# KiCad board dilemma.kicad_pcb (continued)
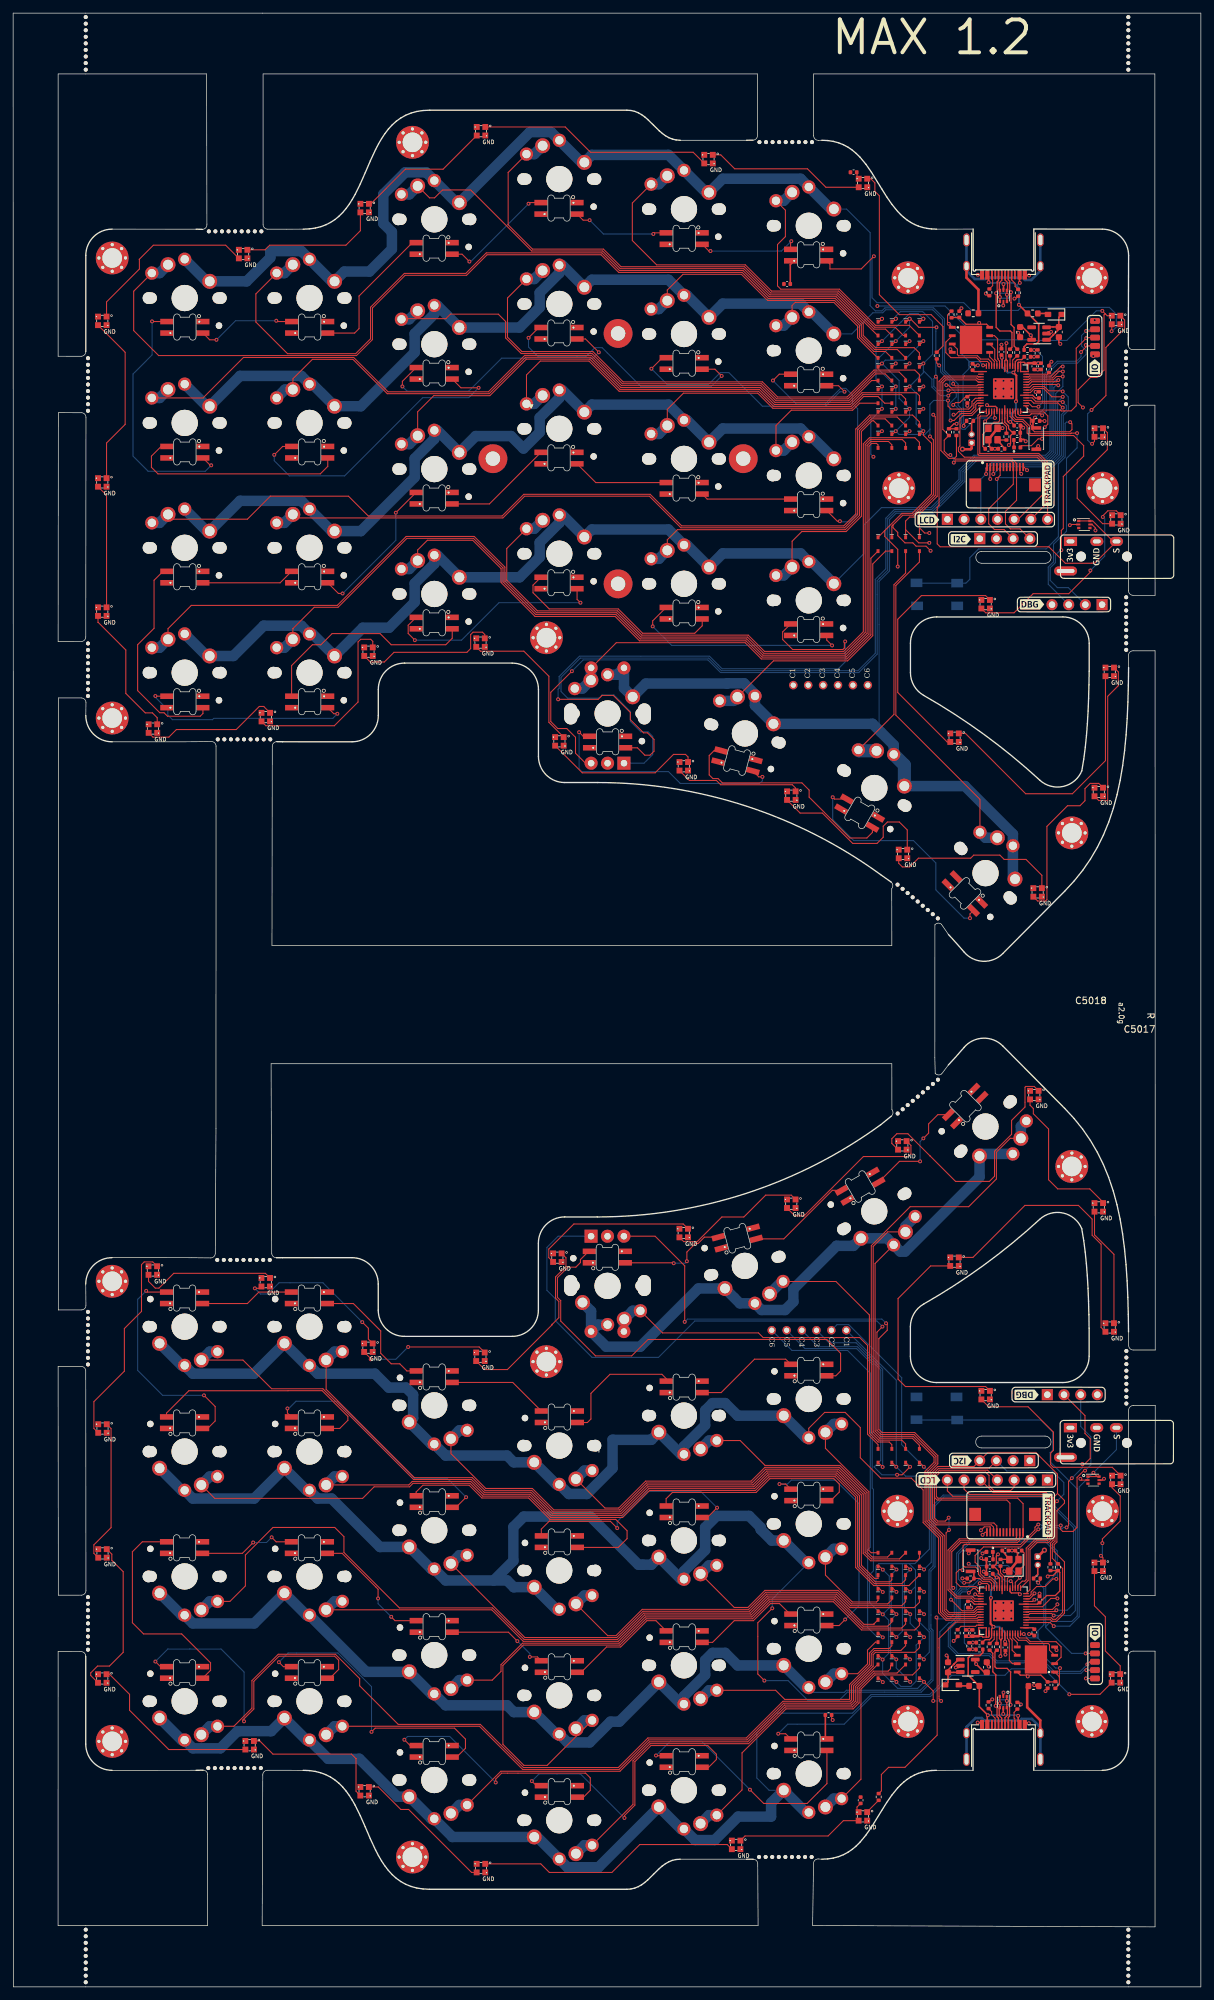
[diagram p0: board, top side]
## Placement (name value [footprint] x y rotation side) (continued)
SW5001  SW_Push  [SW_SPST_CK_KXT3]  145.74 64.83 270 top
SW5002  NA_SW_Push  [SW_MX_choc]  45.1 62.45 0 bottom
SW5003  NA_SW_Push  [SW_MX_choc]  45.1 81.45 0 bottom
SW5004  NA_SW_Push  [SW_MX_choc]  45.1 100.45 0 bottom
SW5005  NA_SW_Push  [SW_MX_choc]  111.38 109.7 15 bottom
SW5006  NA_SW_Push  [SW_MX_choc]  64.1 50.47 0 bottom
SW5007  NA_SW_Push  [SW_MX_choc]  64.1 69.47 0 bottom
SW5008  NA_SW_Push  [SW_MX_choc]  64.1 88.47 0 bottom
SW5009  NA_SW_Push  [SW_MX_choc]  131.08 118 30 bottom
SW5010  NA_SW_Push  [SW_MX_choc]  83.13 44.35 0 bottom
SW5011  NA_SW_Push  [SW_MX_choc]  83.13 63.35 0 bottom
SW5012  NA_SW_Push  [SW_MX_choc]  83.13 82.35 0 bottom
SW5013  NA_SW_Push  [SW_MX_choc]  90.48 106.66 0 bottom
SW5014  NA_SW_Push  [SW_MX_choc]  102.1 48.92 0 bottom
SW5015  NA_SW_Push  [SW_MX_choc]  102.1 67.92 0 bottom
SW5016  NA_SW_Push  [SW_MX_choc]  102.1 86.92 0 bottom
SW5017  NA_SW_Push  [SW_MX_choc]  121.1 51.45 0 bottom
SW5018  NA_SW_Push  [SW_MX_choc]  121.1 70.45 0 bottom
SW5019  NA_SW_Push  [SW_MX_choc]  121.1 89.45 0 bottom
SW5020  NA_RotaryEncoder_Switch  [RotaryEncoder_Alps_EC11E-Switch_Vertical_H20mm_roundholes]  87.97 114.21 270 bottom
SW5021  SW_SPST  [PushSwitch]  140.6 88.05 0 bottom
SW5022  SW_SPST  [PushSwitch]  140.6 211.82 180 bottom
SW5023  NA_SW_Push  [SW_MX_choc]  45.11 256.95 180 bottom
SW5024  NA_SW_Push  [SW_MX_choc]  64.11 268.93 180 bottom
SW5025  NA_SW_Push  [SW_MX_choc]  83.14 275.05 180 bottom
SW5026  NA_SW_Push  [SW_MX_choc]  102.11 270.48 180 bottom
SW5027  NA_SW_Push  [SW_MX_choc]  121.11 267.95 180 bottom
SW5028  NA_SW_Push  [SW_MX_choc]  26.11 256.95 180 bottom
SW5029  NA_SW_Push  [SW_MX_choc]  26.11 237.95 180 bottom
SW5030  NA_SW_Push  [SW_MX_choc]  26.11 218.95 180 bottom
SW5031  NA_SW_Push  [SW_MX_choc]  26.11 199.95 180 bottom
SW5032  NA_SW_Push  [SW_MX_choc]  26.1 62.45 0 bottom
SW5033  NA_SW_Push  [SW_MX_choc]  26.1 81.45 0 bottom
SW5034  NA_SW_Push  [SW_MX_choc]  26.1 100.45 0 bottom
SW5035  NA_SW_Push  [SW_MX_choc]  45.1 43.45 0 bottom
SW5036  NA_SW_Push  [SW_MX_choc]  64.1 31.47 0 bottom
SW5037  NA_SW_Push  [SW_MX_choc]  83.13 25.35 0 bottom
SW5038  NA_SW_Push  [SW_MX_choc]  102.1 29.92 0 bottom
SW5039  NA_SW_Push  [SW_MX_choc]  121.1 32.45 0 bottom
SW5040  NA_SW_Push  [SW_MX_choc]  26.1 43.45 0 bottom
SW5041  NA_SW_Push  [SW_MX_choc]  148.01 169.45 135 bottom
SW5042  NA_SW_Push  [SW_MX_choc]  148 130.9 45 bottom
U1  RP2040  [QFN-56-1EP_7x7mm_P0.4mm_EP3.2x3.2mm]  150.74 243.16 0 top
U2  W25Q128JVS  [W25Q128JVPIQ]  145.8 250.59 0 top
U3  XC6210B332MR-G  [SOT-23-5]  156.17 251.55 180 top
U4  USBLC6-2P6  [SOT-666]  150.74 257.27 90 top
U5001  XC6210B332MR-G  [SOT-23-5]  145.31 48.85 0 top
U5002  RP2040  [QFN-56-1EP_7x7mm_P0.4mm_EP3.2x3.2mm]  150.74 57.23 180 top
U5003  USBLC6-2P6  [SOT-666]  150.72 43.33 270 top
U5004  W25Q128JVS  [W25Q128JVPIQ]  155.69 49.81 180 top
U5005  USBLC6-2P6  [SOT-666]  163.05 222.5 0 top
U5006  USBLC6-2P6  [SOT-666]  164.45 77.1 0 top
Y1  Crystal_GND24  [Crystal_SMD_2520-4Pin_2.5x2.0mm]  149.14 236.26 270 top
Y5001  Crystal_GND24  [Crystal_SMD_2520-4Pin_2.5x2.0mm]  152.34 64.13 90 top

## Library data of the parts
C1 C2 C5001 C5002 = -: LCSC: C19666; ki_fp_filters: C_*
C3 C4 C5005 C5008 = -: LCSC: C1548; ki_fp_filters: C_*
C5 C6 C5003 C5004 C5015-C5018 = -: LCSC: C52923; ki_fp_filters: C_*
C7-C14 C5006 C5007 C5009-C5014 = -: LCSC: C1525; ki_fp_filters: C_*
D1 D5001 = -: LCSC: C130719; ki_fp_filters: LED* LED_SMD:* LED_THT:*
D2 D5004 = -: LCSC: C123899; ki_fp_filters: TO-???* *_Diode_* *SingleDiode* D_*
D3 D4 D7-D9 D11 D12 D15 D16 D18 D19 D21 D22 D24 D25 D27 D28 D5013 D5014 D5016-D5030 D5109-D5116 D5138-D5143 = -: Datasheet: https://datasheet.lcsc.com/lcsc/2108251530_OPSCO-Optoelectronics-SK6805-EC15_C2890035.pdf; MFN: Dongguan Opsco Optoelectronics; LCSC: C2890035; ki_fp_filters: LED*WS2812*PLCC*5.0x5.0mm*P3.2mm*
D112 D115 D5002 D5003 D5005-D5012 D5015 D5067-D5108 D5126 = -: ki_fp_filters: TO-???* *_Diode_* *SingleDiode* D_*
D5031-D5066 D5117-D5125 D5127-D5137 = -: Datasheet: https://cdn-shop.adafruit.com/product-files/2686/SK6812MINI_REV.01-1-2.pdf; ki_fp_filters: LED*SK6812MINI*PLCC*3.5x3.5mm*P1.75mm*
F1 F5001 = -: LCSC: C69679; ki_fp_filters: *polyfuse* *PTC*
FB1 FB5001 = -: LCSC: C98288; ki_fp_filters: Inductor_* L_* *Ferrite*
H101 H102 H104-H108 H111 H5001-H5007 H5009-H5020 H6001-H6012 = -: ki_fp_filters: MountingHole*Pad*
J1 J5001 = -: Datasheet: https://www.usb.org/sites/default/files/documents/usb_type-c.zip; LCSC: C2848619; ki_fp_filters: USB*C*Receptacle*
J4 J5 J105 J113 J5002 J5005 J5007-J5010 O101 O5001 = -: ki_fp_filters: Connector*:*_1x??_*
J102 J5003 = -: ki_fp_filters: Jack*
J5006 J5011-J5021 = -: Description: Generic connector, single row, 01x01, script generated; ki_fp_filters: Connector*:*_1x??_*
R1 R3 R8 R5001 R5003 R5008 R5015 R5016 = -: LCSC: C11702; ki_fp_filters: R_*
R2 R9 R11 R5002 R5010 R5011 = -: LCSC: C25744; ki_fp_filters: R_*
R4 R5 R10 R5004 R5005 R5009 = -: LCSC: C25905; ki_fp_filters: R_*
R6 R7 R5006 R5007 = -: LCSC: C25100; ki_fp_filters: R_*
R101 R5012 = -: JLCPCB BOM: 1; JLCPCB Part: C26033; ki_fp_filters: R_*
R103 R104 R5013 R5014 = -: LCSC: C269746; ki_fp_filters: R_*
SW1 SW5001 = -: LCSC: C319433; Field5: R
SW3002 SW5020 = -: ki_fp_filters: RotaryEncoder*Switch*
U1 U5002 = -: LCSC: C2040
U2 U5004 = -: Datasheet: http://www.winbond.com/resource-files/w25q128jv_dtr%20revc%2003272018%20plus.pdf; ki_fp_filters: SOIC*5.23x5.23mm*P1.27mm*
U3 U5001 = -: LCSC: C82942; LCSC2: C47719; ki_fp_filters: SOT?23?5*
U4 U5003 U5005 U5006 = -: Datasheet: https://www.st.com/resource/en/datasheet/usblc6-2.pdf; ki_fp_filters: SOT?666*
Y1 Y5001 = -: LCSC: C2149204; ki_fp_filters: Crystal*

## Footprints (pads in the part's own frame, mm; a bottom-side part is the same pattern mirrored in y, then rotated)
C_0402_1005Metric
  rrect 0.56x0.62 smd: 1(-0.48,0) 2(0.48,0)
C_0603_1608Metric
  rrect 0.9x0.95 smd: 1(-0.775,0) 2(0.775,0)
Crystal_SMD_2520-4Pin_2.5x2.0mm
  rrect 1.15x1 smd: 1(-0.875,-0.7) 2(0.875,-0.7) 3(0.875,0.7) 4(-0.875,0.7)
D_SOD-323
  rect 0.6x0.45 smd: 1(-1.05,0) 2(1.05,0)
D_SOD-323#2
  rrect 1x0.8 smd: 1(-1.05,0) 2(1.05,0)
FPC-SMD_FPC05012-09200-.5mm
  rect 0.28x1.25 smd: 1(-2.75,1.362) 2(-2.25,1.362) 3(-1.75,1.362) 4(-1.25,1.362) 5(-0.75,1.362) 6(-0.25,1.362) 7(0.25,1.362) 8(0.75,1.362) 9(1.25,1.362) 10(1.75,1.362) 11(2.25,1.362) 12(2.75,1.362)
  rect 1.8x2 smd: 13(4.55,-1.362) 14(-4.55,-1.362)
Fuse_0603_1608Metric
  rrect 0.875x0.95 smd: 1(-0.787,0) 2(0.787,0)
Jack_3.5mm_PJ320E_Horizontal
  oval 1.5x1.5 hole 1.5 unplated: (2.3,8.6) (2.3,1.6)
  oval 1.4x2 hole 0.6x1.2: R1(0,4) R2(0,7)
  oval 1.4x3.5 hole 0.6x2.7: S(4.5,-0.75)
  rect 1.4x2 hole 0.6x1.2: T(0,0)
L_0603_1608Metric
  rrect 0.875x0.95 smd: 1(-0.787,0) 2(0.787,0)
LED_0402_1005Metric
  rrect 0.59x0.64 smd: 1(-0.485,0) 2(0.485,0)
LED_SK6805-EC15_1.5x1.5mm_P0.6mm_handsolder
  rect 0.9x0.9 smd: 1(-0.65,-0.65) 2(0.65,-0.65) 3(0.65,0.65) 4(-0.65,0.65)
  round 0.3 hole 0.2: 2(0.9,-0.65) 4(-0.85,0.7)
MountingHole_3mm_Pad_Via
  round 0.8 hole 0.5: 1(-2.025,0) 1(-1.432,1.432) 1(-1.432,-1.432) 1(0,2.025) 1(0,-2.025) 1(1.432,1.432) 1(1.432,-1.432) 1(2.025,0)
  round 5 hole 3: 1(0,0)
mousebite
  round 0.6 hole 0.6 unplated: (-4,0) (-3,0) (-2,0) (-1,0) (0,0) (1,0) (2,0) (3,0) (4,0)
PinHeader_1x02_P1.27mm_Vertical
  rrect 1x1 hole 0.6: 1(0,0)
  round 1 hole 0.6: 2(0,-1.27)
PinHeader_1x04_P2.54mm_Vertical
  rect 1.7x1.7 hole 1: 1(0,0)
  oval 1.7x1.7 hole 1: 2(0,-2.54) 3(0,-5.08) 4(0,-7.62)
PinHeader_1x04_P2.54mm_Vertical_debug
  round 1.7 hole 1: 1(0,0)
  oval 1.7x1.7 hole 1: 2(0,-2.54) 3(0,-5.08)
  rect 1.7x1.7 hole 1: 4(0,-7.62)
PinHeader_1x05_P1.27mm_Vertical_SMD
  rrect 1.5x0.9 smd: 1(0,0) 2(0,-1.27) 3(0,-2.54) 4(0,-3.81) 5(0,-5.08)
PinHeader_1x07_P2.54mm_Vertical
  rect 1.7x1.7 hole 1: 1(0,0)
  oval 1.7x1.7 hole 1: 2(0,-2.54) 3(0,-5.08) 4(0,-7.62) 5(0,-10.16) 6(0,-12.7) 7(0,-15.24)
PushSwitch
  rect 1.8x1.3 smd: 1(-3.1,1.75) 1(3.1,1.8) 2(-3.1,-1.7) 2(3,-1.7)
QFN-56-1EP_7x7mm_P0.4mm_EP3.2x3.2mm
  rrect 1.084x1.084 smd: (-0.637,0.637) (-0.637,-0.637) (0.637,0.637) (0.637,-0.637)
  rrect 0.875x0.2 smd: 1(-3.438,2.6) 2(-3.438,2.2) 3(-3.438,1.8) 4(-3.438,1.4) 5(-3.438,1) 6(-3.438,0.6) 7(-3.438,0.2) 8(-3.438,-0.2) 9(-3.438,-0.6) 10(-3.438,-1) 11(-3.438,-1.4) 12(-3.438,-1.8) 13(-3.438,-2.2) 14(-3.438,-2.6) 29(3.438,-2.6) 30(3.438,-2.2) 31(3.438,-1.8) 32(3.438,-1.4) 33(3.438,-1) 34(3.438,-0.6) 35(3.438,-0.2) 36(3.438,0.2) 37(3.438,0.6) 38(3.438,1) 39(3.438,1.4) 40(3.438,1.8) 41(3.438,2.2) 42(3.438,2.6)
  rrect 0.2x0.875 smd: 15(-2.6,-3.438) 16(-2.2,-3.438) 17(-1.8,-3.438) 18(-1.4,-3.438) 19(-1,-3.438) 20(-0.6,-3.438) 21(-0.2,-3.438) 22(0.2,-3.438) 23(0.6,-3.438) 24(1,-3.438) 25(1.4,-3.438) 26(1.8,-3.438) 27(2.2,-3.438) 28(2.6,-3.438) 43(2.6,3.438) 44(2.2,3.438) 45(1.8,3.438) 46(1.4,3.438) 47(1,3.438) 48(0.6,3.438) 49(0.2,3.438) 50(-0.2,3.438) 51(-0.6,3.438) 52(-1,3.438) 53(-1.4,3.438) 54(-1.8,3.438) 55(-2.2,3.438) 56(-2.6,3.438)
  rrect 3.2x3.2 smd: 57(0,0)
R_0402_1005Metric
  rrect 0.54x0.64 smd: 1(-0.51,0) 2(0.51,0)
R_0402_1005Metric_nolabel
  rrect 0.54x0.64 smd: 1(-0.51,0) 2(0.51,0)
RotaryEncoder_Alps_EC11E-Switch_Vertical_H20mm_roundholes
  oval 3.2x2 hole 3.2x2 unplated: (7.5,-8.1) (7.5,3.1)
  rect 2x2 hole 1: A(0,0)
  round 2 hole 1: B(0,-5) C(0,-2.5) S1(14.5,-5) S2(14.5,0)
SK6812_mini_e_corners
  rect 2x0.85 smd: 1(2.75,-0.975) 2(-2.75,-0.975) 3(-2.75,0.775) 4(2.75,0.775)
  round 0.6 hole 0.3: 2(-2.2,-0.95) 4(2.2,0.775)
SOT-23-5
  rrect 1.325x0.6 smd: 1(-1.137,0.95) 2(-1.137,0) 3(-1.137,-0.95) 4(1.137,-0.95) 5(1.137,0.95)
SOT-666
  rect 0.5x0.375 smd: 1(-0.85,0.537) 3(-0.85,-0.537) 4(0.85,-0.537) 6(0.85,0.537)
  rect 0.65x0.3 smd: 2(-0.925,0) 5(0.925,0)
SW_MX_choc
  round 1.782 hole 1.782 unplated: (-5.5,0) (5.5,0)
  round 0.991 hole 0.991 unplated: (-5.22,-4.2)
  round 1.702 hole 1.702 unplated: (-5.08,0) (5.08,0)
  round 3.988 hole 3.988 unplated: (0,0)
  round 2.286 hole 1.499: 1(-3.81,2.54) 2(2.54,5.08)
  round 2.032 hole 1.27: 1(0,5.9) 2(5,3.8)
SW_SPST_CK_KXT3
  rect 0.55x1.5 smd: 1(-1.625,0) 2(1.625,0)
Tenting_Puck
  round 4.4 hole 2.2: 1(-19.05,0) 1(0,19.05) 1(0,-19.05) 1(19.05,0)
testpoint
  round 1.3 hole 0.8: 1(0,0)
USB_C_Receptacle_HRO_TYPE-C-31-M-13B
  rect 0.6x1.4 smd: A1(-3.25,7.4) A4(-2.45,7.4) A9(2.45,7.4) A12(3.25,7.4) B1(3.25,7.4) B4(2.45,7.4) B9(-2.45,7.4) B12(-3.25,7.4)
  rect 0.3x1.4 smd: A5(-1.25,7.4) A6(-0.25,7.4) A7(0.25,7.4) A8(1.25,7.4) B5(1.75,7.4) B6(0.75,7.4) B7(-0.75,7.4) B8(-1.75,7.4)
  oval 1x1.6 hole 0.6x1.2: S1(-5.62,6.1) S1(5.62,6.1)
  oval 1x2 hole 0.6x1.6: S1(-5.62,2.1) S1(5.62,2.1)
W25Q128JVPIQ
  rrect 1.04x0.44 smd: 1(-2.845,1.905) 2(-2.845,0.635) 3(-2.845,-0.635) 4(-2.845,-1.905) 5(2.845,-1.905) 6(2.845,-0.635) 7(2.845,0.635) 8(2.845,1.905)
  rect 3.4x4.3 smd: 9(0,0)

## Nets
+1V1: C6.1 C7.1 C8.1 U1.23 U1.45 U1.50
+1V1_L: C5004.1 C5006.1 C5007.1 U5002.23 U5002.45 U5002.50
+3V3: C2.1 C5.1 C9.1 C10.1 C11.1 C12.1 C13.1 C14.1 C5015.1 C5017.1 D3.2 D4.2 D7.2 D8.2 D9.2 D11.2 D12.2 D15.2 D16.2 D18.2 D19.2 D21.2 D22.2 D24.2 D25.2 D27.2 D28.2 D5031.4 D5032.4 D5033.4 D5034.4 D5035.4 D5036.4 D5037.4 D5038.4 D5039.4 D5040.4 D5041.4 D5042.4 D5043.4 D5044.4 D5045.4 D5046.4 D5047.4 D5048.4 D5109.2 D5110.2 D5111.2 D5112.2 D5117.4 D5118.4 D5119.4 D5120.4 D5121.4 D5122.4 D5123.4 D5124.4 D5125.4 D5127.4 D5138.2 D5139.2 D5140.2 J3.1 J4.1 J102.T J105.1 J113.12 J5010.1 O101.2 R2.2 R9.2 R101.2 R103.2 R104.1 U1.1 U1.10 U1.22 U1.33 U1.42 U1.43 U1.44 U1.48 U1.49 U2.8 U3.5 U5005.5
+3V3_L: C5002.1 C5003.1 C5009.1 C5010.1 C5011.1 C5012.1 C5013.1 C5014.1 C5016.1 C5018.1 D5013.2 D5014.2 D5016.2 D5017.2 D5018.2 D5019.2 D5020.2 D5021.2 D5022.2 D5023.2 D5024.2 D5025.2 D5026.2 D5027.2 D5028.2 D5029.2 D5030.2 D5049.4 D5050.4 D5051.4 D5052.4 D5053.4 D5054.4 D5055.4 D5056.4 D5057.4 D5058.4 D5059.4 D5060.4 D5061.4 D5062.4 D5063.4 D5064.4 D5065.4 D5066.4 D5113.2 D5114.2 D5115.2 D5116.2 D5128.4 D5129.4 D5130.4 D5131.4 D5132.4 D5133.4 D5134.4 D5135.4 D5136.4 D5137.4 D5141.2 D5142.2 D5143.2 J5003.T J5004.1 J5005.1 J5007.12 J5008.1 J5009.1 O5001.2 R5002.2 R5011.2 R5013.2 R5014.1 U5001.5 U5002.1 U5002.10 U5002.22 U5002.33 U5002.42 U5002.43 U5002.44 U5002.48 U5002.49 U5004.8 U5006.5
+5V: C1.1 D2.1 U3.1 U3.3
+5V_L: C5001.1 D5004.1 U5001.1 U5001.3
/VBUS_DET: R10.1 R11.2 U1.30
/VBUS_DET_L: R5009.1 R5010.2 U5002.30
GND: C1.2 C2.2 C3.2 C4.2 C5.2 C6.2 C7.2 C8.2 C9.2 C10.2 C11.2 C12.2 C13.2 C14.2 C5015.2 C5017.2 D3.4 D4.4 D7.4 D8.4 D9.4 D11.4 D12.4 D15.4 D16.4 D18.4 D19.4 D21.4 D22.4 D24.4 D25.4 D27.4 D28.4 D5031.2 D5032.2 D5033.2 D5034.2 D5035.2 D5036.2 D5037.2 D5038.2 D5039.2 D5040.2 D5041.2 D5042.2 D5043.2 D5044.2 D5045.2 D5046.2 D5047.2 D5048.2 D5109.4 D5110.4 D5111.4 D5112.4 D5117.2 D5118.2 D5119.2 D5120.2 D5121.2 D5122.2 D5123.2 D5124.2 D5125.2 D5127.2 D5138.4 D5139.4 D5140.4 FB1.1 H101.1 H102.1 H104.1 H105.1 H106.1 H107.1 H108.1 H111.1 H5009.1 H5010.1 J1.A1 J1.A12 J1.B1 J1.B12 J3.2 J4.5 J5.1 J102.R1 J105.4 J113.11 J5010.5 O101.1 R1.1 R4.2 R5.2 R11.1 SW1.1 SW3002.C SW5022.2 U1.19 U1.57 U2.4 U3.2 U4.2 U5005.2 Y1.2 Y1.4
GND_L: C5001.2 C5002.2 C5003.2 C5004.2 C5005.2 C5006.2 C5007.2 C5008.2 C5009.2 C5010.2 C5011.2 C5012.2 C5013.2 C5014.2 C5016.2 C5018.2 D5013.4 D5014.4 D5016.4 D5017.4 D5018.4 D5019.4 D5020.4 D5021.4 D5022.4 D5023.4 D5024.4 D5025.4 D5026.4 D5027.4 D5028.4 D5029.4 D5030.4 D5049.2 D5050.2 D5051.2 D5052.2 D5053.2 D5054.2 D5055.2 D5056.2 D5057.2 D5058.2 D5059.2 D5060.2 D5061.2 D5062.2 D5063.2 D5064.2 D5065.2 D5066.2 D5113.4 D5114.4 D5115.4 D5116.4 D5128.2 D5129.2 D5130.2 D5131.2 D5132.2 D5133.2 D5134.2 D5135.2 D5136.2 D5137.2 D5141.4 D5142.4 D5143.4 FB5001.1 H5001.1 H5002.1 H5003.1 H5004.1 H5005.1 H5006.1 H5007.1 H5011.1 H5012.1 J5001.A1 J5001.A12 J5001.B1 J5001.B12 J5002.1 J5003.R1 J5004.2 J5005.4 J5007.11 J5008.5 J5009.5 O5001.1 R5001.1 R5004.2 R5005.2 R5010.1 R5012.2 SW5001.1 SW5020.C SW5021.2 U5001.2 U5002.19 U5002.57 U5003.2 U5004.4 U5006.2 Y5001.2 Y5001.4
VBUS: F1.1 J1.A4 J1.A9 J1.B4 J1.B9 R10.2 U4.5
VBUS_L: F5001.1 J5001.A4 J5001.A9 J5001.B4 J5001.B9 R5009.2 U5003.5
/D+: J1.A6 J1.B6 R6.1 U4.3 U4.4
/D+_L: J5001.A6 J5001.B6 R5006.1 U5003.3 U5003.4
/D-: J1.A7 J1.B7 R7.1 U4.1 U4.6
/D-_L: J5001.A7 J5001.B7 R5007.1 U5003.1 U5003.6
/LED: D1.2 U1.28
/LED_L: D5001.2 U5002.28
/MISO: J113.2 U1.31
/MISO_L: J5007.2 U5002.31
/MOSI: J3.4 J113.5 U1.35
/MOSI_L: J5004.4 J5007.5 U5002.35
/QSPI_D0: U1.53 U2.5
/QSPI_D0_L: U5002.53 U5004.5
/QSPI_D1: U1.55 U2.2
/QSPI_D1_L: U5002.55 U5004.2
/QSPI_D2: U1.54 U2.3
/QSPI_D2_L: U5002.54 U5004.3
/QSPI_D3: U1.51 U2.7
/QSPI_D3_L: U5002.51 U5004.7
/QSPI_SCLK: U1.52 U2.6
/QSPI_SCLK_L: U5002.52 U5004.6
/QSPI_~{CS}: R3.2 R9.1 U1.56 U2.1
/QSPI_~{CS}_L: R5003.2 R5011.1 U5002.56 U5004.1
/SCLK: J3.3 J113.1 U1.34
/SCLK_L: J5004.3 J5007.1 U5002.34
/SWCLK: J105.3 U1.24
/SWCLK_L: J5005.3 U5002.24
/SWD: J105.2 U1.25
/SWD_L: J5005.2 U5002.25
/~{RESET_L}: J5008.4 J5009.4 R5002.1 SW5001.2 SW5021.1 U5002.26
/~{RESET}: J4.4 J5010.4 R2.1 SW1.2 SW5022.1 U1.26
ENC_PIN1: SW3002.B U1.36
ENC_PIN1_L: SW5020.B U5002.36
ENC_PIN2: SW3002.A U1.37
ENC_PIN2_L: SW5020.A U5002.37
encoder_diode: D5082.2 SW3001.2 SW3002.S1
encoder_diode_L: D5088.2 SW5013.2 SW5020.S1
HAND: R101.1 U1.41
HAND_L: R5012.1 U5002.41
IO16: J4.2 J5010.2 U1.27
IO16_L: J5008.2 J5009.2 U5002.27
IO18: J4.3 J5010.3 U1.29
IO18_L: J5008.3 J5009.3 U5002.29
M_COL1: D5067.1 D5068.1 D5069.1 D5070.1 D5091.1 J5006.1 U1.11
M_COL1_L: D5002.1 D5003.1 D5083.1 D5084.1 D5103.1 J5016.1 U5002.11
M_COL2: D5071.1 D5072.1 D5073.1 D5074.1 D5092.1 J5011.1 U1.12
M_COL2_L: D5005.1 D5006.1 D5085.1 D5086.1 D5104.1 J5017.1 U5002.12
M_COL3: D5075.1 D5076.1 D5081.1 D5082.1 D5093.1 J5012.1 U1.9
M_COL3_L: D5007.1 D5008.1 D5087.1 D5088.1 D5105.1 J5018.1 U5002.9
M_COL4: D112.1 D5015.1 D5077.1 D5078.1 D5094.1 J5013.1 U1.8
M_COL4_L: D5009.1 D5010.1 D5089.1 D5106.1 D5126.1 J5019.1 U5002.8
M_COL5: D115.1 D5079.1 D5080.1 D5095.1 J5014.1 U1.40
M_COL5_L: D5011.1 D5012.1 D5090.1 D5107.1 J5020.1 U5002.40
M_COL6: D5096.1 D5097.1 D5098.1 D5099.1 J5015.1 U1.17
M_COL6_L: D5100.1 D5101.1 D5102.1 D5108.1 J5021.1 U5002.17
M_ROW1: SW118.1 SW119.1 SW3001.1 SW3002.S2 SW5041.1 U1.38
M_ROW1_L: SW5005.1 SW5009.1 SW5013.1 SW5020.S2 SW5042.1 U5002.38
M_ROW2: SW101.1 SW104.1 SW107.1 SW112.1 SW115.1 SW5029.1 U1.6
M_ROW2_L: SW5002.1 SW5006.1 SW5010.1 SW5014.1 SW5017.1 SW5032.1 U5002.6
M_ROW3: SW102.1 SW105.1 SW108.1 SW113.1 SW116.1 SW5030.1 U1.7
M_ROW3_L: SW5003.1 SW5007.1 SW5011.1 SW5015.1 SW5018.1 SW5033.1 U5002.7
M_ROW4: SW103.1 SW106.1 SW109.1 SW114.1 SW117.1 SW5031.1 U1.39
M_ROW4_L: SW5004.1 SW5008.1 SW5012.1 SW5016.1 SW5019.1 SW5034.1 U5002.39
M_ROW5: SW5023.1 SW5024.1 SW5025.1 SW5026.1 SW5027.1 SW5028.1 U1.18
M_ROW5_L: SW5035.1 SW5036.1 SW5037.1 SW5038.1 SW5039.1 SW5040.1 U5002.18
NCS: J113.3 U1.32
NCS_L: J5007.3 U5002.32
QP_CS: J3.6 U1.15
QP_CS_L: J5004.6 U5002.15
QP_DC: J3.5 U1.14
QP_DC_L: J5004.5 U5002.14
QP_RST: J3.7 U1.16
QP_RST_L: J5004.7 U5002.16
RGB: D5109.3 D5117.3
RGB_L: D5113.3 D5128.3
SCL: J113.9 O101.3 R104.2 U1.5
SCL_L: J5007.9 O5001.3 R5014.2 U5002.5
SDA: J113.10 O101.4 R103.1 U1.4
SDA_L: J5007.10 O5001.4 R5013.1 U5002.4
SERIAL: J102.R2 U1.3 U5005.1 U5005.6
SERIAL_L: J5003.R2 U5002.3 U5006.1 U5006.6
UNDER_RGB: R5016.1 U1.13
UNDER_RGB_L: R5015.1 U5002.13
Net-(C4-Pad1): C4.1 R8.1 Y1.3
Net-(C5008-Pad1): C5008.1 R5008.1 Y5001.3
Net-(D1-K): D1.1 R1.2
Net-(D2-A): D2.2 F1.2
Net-(D3-DIN): D3.1 R5016.2
Net-(D3-DOUT): D3.3 D7.1
Net-(D4-DOUT): D4.3 D8.1
Net-(D11-DIN): D7.3 D11.1
Net-(D11-DOUT): D11.3 D15.1
Net-(D12-DIN): D8.3 D12.1
Net-(D12-DOUT): D9.1 D12.3
Net-(D15-DOUT): D15.3 D5110.1
Net-(D16-DIN): D9.3 D16.1
Net-(D16-DOUT): D16.3 D19.1
Net-(D18-DIN): D18.1 D5110.3
Net-(D18-DOUT): D18.3 D5111.1
Net-(D19-DOUT): D19.3 D22.1
Net-(D21-DIN): D21.1 D5111.3
Net-(D21-DOUT): D21.3 D24.1
Net-(D22-DOUT): D22.3 D5138.1
Net-(D24-DOUT): D24.3 D5112.1
Net-(D25-DIN): D25.1 D5140.3
Net-(D25-DOUT): D25.3 D28.1
Net-(D27-DIN): D27.1 D5112.3
Net-(D27-DOUT): D4.1 D27.3
Net-(D28-DOUT): D28.3 D5109.1
Net-(D112-A): D112.2 SW114.2
Net-(D115-A): D115.2 SW117.2
Net-(D5001-K): D5001.1 R5001.2
Net-(D5002-A): D5002.2 SW5002.2
Net-(D5003-A): D5003.2 SW5004.2
Net-(D5004-A): D5004.2 F5001.2
Net-(D5005-A): D5005.2 SW5006.2
Net-(D5006-A): D5006.2 SW5008.2
Net-(D5007-A): D5007.2 SW5010.2
Net-(D5008-A): D5008.2 SW5012.2
Net-(D5009-A): D5009.2 SW5016.2
Net-(D5010-A): D5010.2 SW5014.2
Net-(D5011-A): D5011.2 SW5019.2
Net-(D5012-A): D5012.2 SW5017.2
Net-(D5013-DIN): D5013.1 R5015.2
Net-(D5013-DOUT): D5013.3 D5016.1
Net-(D5014-DIN): D5014.1 D5028.3
Net-(D5014-DOUT): D5014.3 D5017.1
Net-(D5015-A): D5015.2 SW5041.2
Net-(D5016-DOUT): D5016.3 D5018.1
Net-(D5017-DOUT): D5017.3 D5019.1
Net-(D5018-DOUT): D5018.3 D5020.1
Net-(D5019-DOUT): D5019.3 D5021.1
Net-(D5020-DOUT): D5020.3 D5114.1
Net-(D5021-DOUT): D5021.3 D5023.1
Net-(D5022-DIN): D5022.1 D5114.3
Net-(D5022-DOUT): D5022.3 D5115.1
Net-(D5023-DOUT): D5023.3 D5025.1
Net-(D5024-DIN): D5024.1 D5116.3
Net-(D5024-DOUT): D5024.3 D5026.1
Net-(D5025-DOUT): D5025.3 D5027.1
Net-(D5026-DOUT): D5026.3 D5028.1
Net-(D5027-DOUT): D5027.3 D5141.1
Net-(D5029-DIN): D5029.1 D5143.3
Net-(D5029-DOUT): D5029.3 D5030.1
Net-(D5030-DOUT): D5030.3 D5113.1
Net-(D5031-DIN): D5031.3 D5034.1
Net-(D5031-DOUT): D5031.1 D5035.3
Net-(D5032-DIN): D5032.3 D5035.1
Net-(D5032-DOUT): D5032.1 D5046.3
Net-(D5033-DIN): D5033.3 D5048.1
Net-(D5033-DOUT): D5033.1 D5127.3
Net-(D5034-DIN): D5034.3 D5036.1
Net-(D5036-DIN): D5036.3 D5038.1
Net-(D5037-DIN): D5037.3 D5039.1
Net-(D5037-DOUT): D5037.1 D5047.3
Net-(D5038-DIN): D5038.3 D5040.1
Net-(D5039-DIN): D5039.3 D5041.1
Net-(D5040-DIN): D5040.3 D5123.1
Net-(D5041-DIN): D5041.3 D5043.1
Net-(D5042-DIN): D5042.3 D5044.1
Net-(D5042-DOUT): D5042.1 D5124.3
Net-(D5043-DIN): D5043.3 D5045.1
Net-(D5044-DIN): D5044.3 D5046.1
Net-(D5045-DIN): D5045.3 D5125.1
Net-(D5047-DOUT): D5047.1 D5048.3
Net-(D5049-DIN): D5049.3 D5052.1
Net-(D5049-DOUT): D5049.1 D5053.3
Net-(D5050-DIN): D5050.3 D5053.1
Net-(D5050-DOUT): D5050.1 D5064.3
Net-(D5051-DIN): D5051.3 D5066.1
Net-(D5051-DOUT): D5051.1 D5137.3
Net-(D5052-DIN): D5052.3 D5054.1
Net-(D5054-DIN): D5054.3 D5056.1
Net-(D5055-DIN): D5055.3 D5057.1
Net-(D5055-DOUT): D5055.1 D5065.3
Net-(D5056-DIN): D5056.3 D5058.1
Net-(D5057-DIN): D5057.3 D5059.1
Net-(D5058-DIN): D5058.3 D5134.1
Net-(D5059-DIN): D5059.3 D5061.1
Net-(D5060-DIN): D5060.3 D5062.1
Net-(D5060-DOUT): D5060.1 D5135.3
Net-(D5061-DIN): D5061.3 D5063.1
Net-(D5062-DIN): D5062.3 D5064.1
Net-(D5063-DIN): D5063.3 D5136.1
Net-(D5065-DOUT): D5065.1 D5066.3
Net-(D5067-A): D5067.2 SW101.2
Net-(D5068-A): D5068.2 SW102.2
Net-(D5069-A): D5069.2 SW103.2
Net-(D5070-A): D5070.2 SW118.2
Net-(D5071-A): D5071.2 SW104.2
Net-(D5072-A): D5072.2 SW105.2
Net-(D5073-A): D5073.2 SW106.2
Net-(D5074-A): D5074.2 SW119.2
Net-(D5075-A): D5075.2 SW107.2
Net-(D5076-A): D5076.2 SW108.2
Net-(D5077-A): D5077.2 SW112.2
Net-(D5078-A): D5078.2 SW113.2
Net-(D5079-A): D5079.2 SW115.2
Net-(D5080-A): D5080.2 SW116.2
Net-(D5081-A): D5081.2 SW109.2
Net-(D5083-A): D5083.2 SW5003.2
Net-(D5084-A): D5084.2 SW5005.2
Net-(D5085-A): D5085.2 SW5009.2
Net-(D5086-A): D5086.2 SW5007.2
Net-(D5087-A): D5087.2 SW5011.2
Net-(D5089-A): D5089.2 SW5015.2
Net-(D5090-A): D5090.2 SW5018.2
Net-(D5091-A): D5091.2 SW5023.2
Net-(D5092-A): D5092.2 SW5024.2
Net-(D5093-A): D5093.2 SW5025.2
Net-(D5094-A): D5094.2 SW5026.2
Net-(D5095-A): D5095.2 SW5027.2
Net-(D5096-A): D5096.2 SW5031.2
Net-(D5097-A): D5097.2 SW5028.2
Net-(D5098-A): D5098.2 SW5029.2
Net-(D5099-A): D5099.2 SW5030.2
Net-(D5100-A): D5100.2 SW5034.2
Net-(D5101-A): D5101.2 SW5032.2
Net-(D5102-A): D5102.2 SW5033.2
Net-(D5103-A): D5103.2 SW5035.2
Net-(D5104-A): D5104.2 SW5036.2
Net-(D5105-A): D5105.2 SW5037.2
Net-(D5106-A): D5106.2 SW5038.2
Net-(D5107-A): D5107.2 SW5039.2
Net-(D5108-A): D5108.2 SW5040.2
Net-(D5115-DOUT): D5115.3 D5116.1
Net-(D5117-DOUT): D5117.1 D5122.3
Net-(D5118-DIN): D5118.3 D5119.1
Net-(D5118-DOUT): D5118.1 D5123.3
Net-(D5119-DIN): D5119.3 D5120.1
Net-(D5120-DIN): D5120.3 D5121.1
Net-(D5121-DIN): D5121.3 D5122.1
Net-(D5124-DOUT): D5124.1 D5125.3
Net-(D5126-A): D5126.2 SW5042.2
Net-(D5128-DOUT): D5128.1 D5129.3
Net-(D5129-DOUT): D5129.1 D5130.3
Net-(D5130-DOUT): D5130.1 D5131.3
Net-(D5131-DOUT): D5131.1 D5132.3
Net-(D5132-DOUT): D5132.1 D5133.3
Net-(D5133-DOUT): D5133.1 D5134.3
Net-(D5135-DOUT): D5135.1 D5136.3
Net-(D5138-DOUT): D5138.3 D5139.1
Net-(D5139-DOUT): D5139.3 D5140.1
Net-(D5141-DOUT): D5141.3 D5142.1
Net-(D5142-DOUT): D5142.3 D5143.1
Net-(J1-CC1): J1.A5 R4.1
Net-(J1-CC2): J1.B5 R5.1
Net-(J1-SHIELD): FB1.2 J1.S1
Net-(J5-Pin_2): J5.2 R3.1
Net-(J5001-CC1): J5001.A5 R5005.1
Net-(J5001-CC2): J5001.B5 R5004.1
Net-(J5001-SHIELD): FB5001.2 J5001.S1
Net-(J5002-Pin_2): J5002.2 R5003.1
Net-(U1-USB_DM): R7.2 U1.46
Net-(U1-USB_DP): R6.2 U1.47
Net-(U1-XIN): C3.1 U1.20 Y1.1
Net-(U1-XOUT): R8.2 U1.21
Net-(U5002-USB_DM): R5007.2 U5002.46
Net-(U5002-USB_DP): R5006.2 U5002.47
Net-(U5002-XIN): C5005.1 U5002.20 Y5001.1
Net-(U5002-XOUT): R5008.2 U5002.21

Pads without a net: D5127 1; D5137 1; J1 A8 B8; J102 S; J113 4 6 7 8 13 14; J5001 A8 B8; J5003 S; J5007 4 6 7 8 13 14; U1 2; U2 9; U3 4; U5001 4; U5002 2; U5004 9; U5005 3 4; U5006 3 4

## Via types
v1: diameter 0.6, hole 0.3, Top to Bottom, 347 vias
v2: diameter 0.8, hole 0.4, Top to Bottom, 2 vias

## Routing (per net, layer and track width the routed paths; a pad name or vN(x,y) marks a point on that pad's centre or on a via; arc(x,y) is an arc through that point)
+1V1: length 19.5
  Top w0.2: C6.1 153.91,247.97 153.52,247.59 152.86,247.59 152.54,247.26 U1.45 152.54,245.92 v1(152.24,245.62) ; U1.50 150.54,248.13 150.44,248.23 ; 152.36,237.65 151.91,238.1 v1(151.76,238.1) 151.48,238.1 151.34,238.23 U1.23
  Top w0.32: v1(152.64,241.21) 152.7,241.27 152.7,245.16 v1(152.24,245.62)
  Bottom w0.3: v1(152.24,245.62) 151.38,245.62 150.49,246.51 v1(150.49,247.86)
  Bottom w0.32: v1(152.64,241.21) 152.64,240.01 152.04,239.41 152.04,238.38 v1(151.76,238.1)
+1V1_L: length 19.5
  Top w0.2: 151.04,52.16 150.94,52.26 U5002.50 ; v1(149.24,54.77) 148.94,54.47 U5002.45 148.94,53.13 148.62,52.81 147.96,52.81 147.57,52.42 C5004.1 ; 149.12,62.75 149.57,62.3 v1(149.72,62.3) 150,62.3 150.14,62.17 U5002.23
  Top w0.32: v1(149.24,54.77) 148.78,55.23 148.78,59.12 v1(148.84,59.18)
  Bottom w0.3: v1(150.99,52.53) 150.99,53.88 150.1,54.77 v1(149.24,54.77)
  Bottom w0.32: v1(148.84,59.18) 148.84,60.38 149.44,60.98 149.44,62.01 v1(149.72,62.3)
+3V3: length 114.6
  Top w0.16: 166.22,254.57 v1(165.79,255) ; 166.22,254.57 166.52,254.27 D5109.2 ; 166.22,254.57 166.05,254.4 166.05,245.98 164.95,244.88 163.99,244.88 162.11,243 162.11,241.03 v1(162.84,240.3) ; v1(164.64,253.59) 164.69,253.54 J4.1 ; v1(143.09,240.69) 143.44,241.04 144.09,241.04 144.99,241.94 C9.1 ; v1(154.33,230.77) 153.86,231.24 J113.12 ; R101.2 157.69,246.91 v1(158.04,247.26) ; C5015.1 128.46,276.04 D3.2 ; v1(164.75,221.6) 164.75,221.96 164.21,222.5 163.97,222.5
  Top w0.2: v1(151.57,234.59) 151.82,234.84 151.82,236.02 152.34,236.54 152.07,236.54 151.52,237.09 151.52,237.49 150.94,238.07 U1.22 150.94,240.56 ; 153.33,247.18 153.03,247.18 152.94,247.1 U1.44 152.94,245.76 ; 153.33,247.18 153.34,247.16 U1.43 153.34,245.76 154.18,245.76 ; 153.33,247.18 153.88,247.18 154.01,247.04 154.49,247.04 154.49,245.76 ; 153.34,242.16 U1.33 155.18,242.16 155.61,241.73 C13.1 ; 147.24,252.97 148.17,252.97 U2.8 ; 147.24,252.97 145.05,252.97 C10.1 142.89,254 R9.2 ; 147.24,252.97 147.24,252.97 v1(147.04,253.17) ; 145.24,241.84 145.56,242.16 U1.10 148.34,242.16 ; v1(151.2,250.09) 151.12,250.02 151.12,247.63 151.34,247.41 U1.48 151.34,245.76 ; v1(143.61,237.81) 143.19,237.81 R104.1 R103.2 ; 146.04,245.98 146.26,245.76 148.14,245.76 ; R2.2 156.98,238.26 v1(156.99,238.25) ; 151.14,247.61 150.94,247.41 U1.49 150.94,245.76
  Top w0.25: D5117.4 118.29,262.02 C5017.1 ; U3.5 155.03,251.16 v1(154.9,251.29) 153.64,252.54 C2.1
  Top w0.4: 154.49,247.04 C11.1 ; C11.1 156,247.04 v1(156.02,247.03) ; C11.1 C5.1
  Bottom w0.16: v1(143.09,240.69) 143.3,240.69 144.09,239.9 144.09,238.28 v1(143.61,237.81) ; v1(131.55,255.74) 141.85,255.74 146.99,250.6 155.14,250.6 155.24,250.5 160.37,250.5 164.87,255 v1(165.79,255)
+3V3_L: length 60.9
  Top w0.16: 163.39,46.93 163.39,46.92 J5008.1 ; v1(147.57,68.78) 147.95,69.16 J5007.12 ; D5013.2 128.45,27.36 C5016.1 ; v1(166.05,77.3) 165.85,77.1 U5006.5
  Top w0.2: 150.34,52.78 150.54,52.98 U5002.49 150.54,54.63 ; C5012.1 155.22,54.63 U5002.1 153.34,54.63 ; 148.14,58.23 U5002.33 146.3,58.23 145.87,58.66 C5013.1 ; R5011.2 158.59,46.4 C5010.1 156.43,47.43 154.25,47.43 ; 150.14,54.63 U5002.48 150.14,52.98 150.36,52.76 150.36,50.38 v1(150.28,50.31) ; 146.99,54.63 146.99,53.35 147.47,53.35 147.61,53.22 148.16,53.22 ; v1(144.49,62.15) 144.51,62.13 R5002.2 ; 154.25,47.43 154.25,47.42 v1(154.44,47.23) ; 154.25,47.43 153.31,47.43 U5004.8 ; R5014.1 158.29,62.59 157.62,62.59 v1(157.48,62.45) ; R5014.1 159.32,63.06 159.32,60.23 158.63,59.54 157.32,59.54 C5009.1 ; R5014.1 R5013.2 ; 148.16,53.22 148.46,53.22 148.54,53.3 U5002.44 148.54,54.63 ; 148.16,53.22 148.14,53.23 U5002.43 148.14,54.63 U5002.42 ; 156.24,58.55 155.92,58.23 U5002.10 153.14,58.23 ; v1(149.91,65.81) 149.66,65.55 149.66,64.37 149.14,63.86 149.41,63.86 149.96,63.31 149.96,62.91 150.54,62.33 U5002.22 150.54,59.83
  Top w0.25: D5128.4 123.63,38.03 C5018.1 ; C5002.1 147.84,47.85 v1(146.58,49.11) 146.45,49.24 U5001.5
  Top w0.4: C5011.1 145.48,53.35 v1(145.46,53.37) ; C5011.1 146.99,53.35 ; C5011.1 C5003.1
  Bottom w0.16: J5008.1 164.67,46.93 v1(163.3,46.93)
+5V: length 6.9
  Top w0.25: C1.1 159.18,254.02 D2.1 ; C1.1 157.36,252.55 U3.3 ; C1.1 159.18,252.2 158.29,251.31 158.29,251.31 157.58,250.6 U3.1
+5V_L: length 6.9
  Top w0.25: C5001.1 142.3,48.2 143.19,49.09 143.19,49.09 143.9,49.8 U5001.1 ; C5001.1 144.12,47.84 U5001.3 ; C5001.1 142.3,46.38 D5004.1
/VBUS_DET: length 12.8
  Top w0.16: R10.1 154.93,249.04 v1(155.41,249.04) 155.92,249.04 R11.2 ; v1(156.07,240.42) 155.13,240.42 154.58,240.96 U1.30
  Bottom w0.16: v1(156.07,240.42) 156.69,241.04 156.69,248.07 155.72,249.04 v1(155.41,249.04)
/VBUS_DET_L: length 11.8
  Top w0.16: U5002.30 146.9,59.43 146.61,59.72 v1(146.44,59.72) ; R5010.2 145.56,51.36 v1(146.07,51.36) 146.55,51.36 R5009.1
  Bottom w0.16: v1(146.44,59.72) 144.79,58.07 144.79,52.33 145.76,51.36 v1(146.07,51.36)
GND: length 28.5
  Top w0.16: v1(160.85,222.4) 160.95,222.5 U5005.2 ; v1(155.39,248.01) 155.42,248.04 R11.1 ; R4.2 152.6,256.86 v1(152.42,256.86) ; U2.4 142.95,248.87 v1(142.66,249.16) ; R5.2 148.39,257.31 v1(148.07,257.63) ; C10.2 144.02,255.08 v1(144.34,255.4) ; J113.11 153.24,230.41 v1(153.45,230.2)
  Top w0.2: v1(148.24,240.66) 148.44,240.46 149.54,240.46 149.74,240.26 U1.19 ; 168.58,222.27 168.58,222.66
  Top w0.25: v1(156.03,234.44) 155.74,234.15 SW1.1 ; C2.2 153.28,251.37 v1(152.98,251.67) ; C1.2 159.18,250.2 v1(159.4,249.98) ; C12.2 146.06,246.94 146.34,246.71 v1(146.84,246.71) ; C3.2 148.92,234.06 148.59,234.39 148.59,235.24 Y1.2 ; 153.32,237.65 153.32,236.56 153.3,236.54 153.32,236.51 153.32,235.47 153.35,235.44 153.85,235.44 v1(154.13,235.16) ; v1(157.99,251.8) 157.55,251.8 U3.2 ; v1(154.64,260.39) 154.61,260.42 153.98,260.42 ; C7.2 150.44,249.84 v1(150.44,249.85) ; v1(146.85,260.49) 146.92,260.42 147.48,260.42 ; 156.44,246.08 155.96,246.08 v1(155.94,246.06) 155.92,246.08 155.44,246.08 ; 145.24,240.88 145.24,240.41
  Top w0.4: v1(150.59,237.16) 149.87,237.16 Y1.4 Y1.2 ; v2(144.5,233.96) 144.52,233.94 145.74,233.94 145.89,234.09 J5.1 ; 153.32,237.65 153.75,237.22 v1(153.75,237.22) ; v1(149.44,234.01) C4.2 C3.2 v1(149.44,234.01)
  vias: v1(145.24,240.56) v1(149.54,244.36) v1(149.54,243.16) v1(149.54,241.96) v1(150.71,255.82) v1(150.74,244.36) v1(150.74,243.16) v1(150.74,241.96) v1(151.94,244.36) v1(151.94,243.16) v1(151.94,241.96) v1(155.64,242.66) v1(164.41,248.13)
